# KiCad board rabbit_mask_video_edit.kicad_pcb (continued)
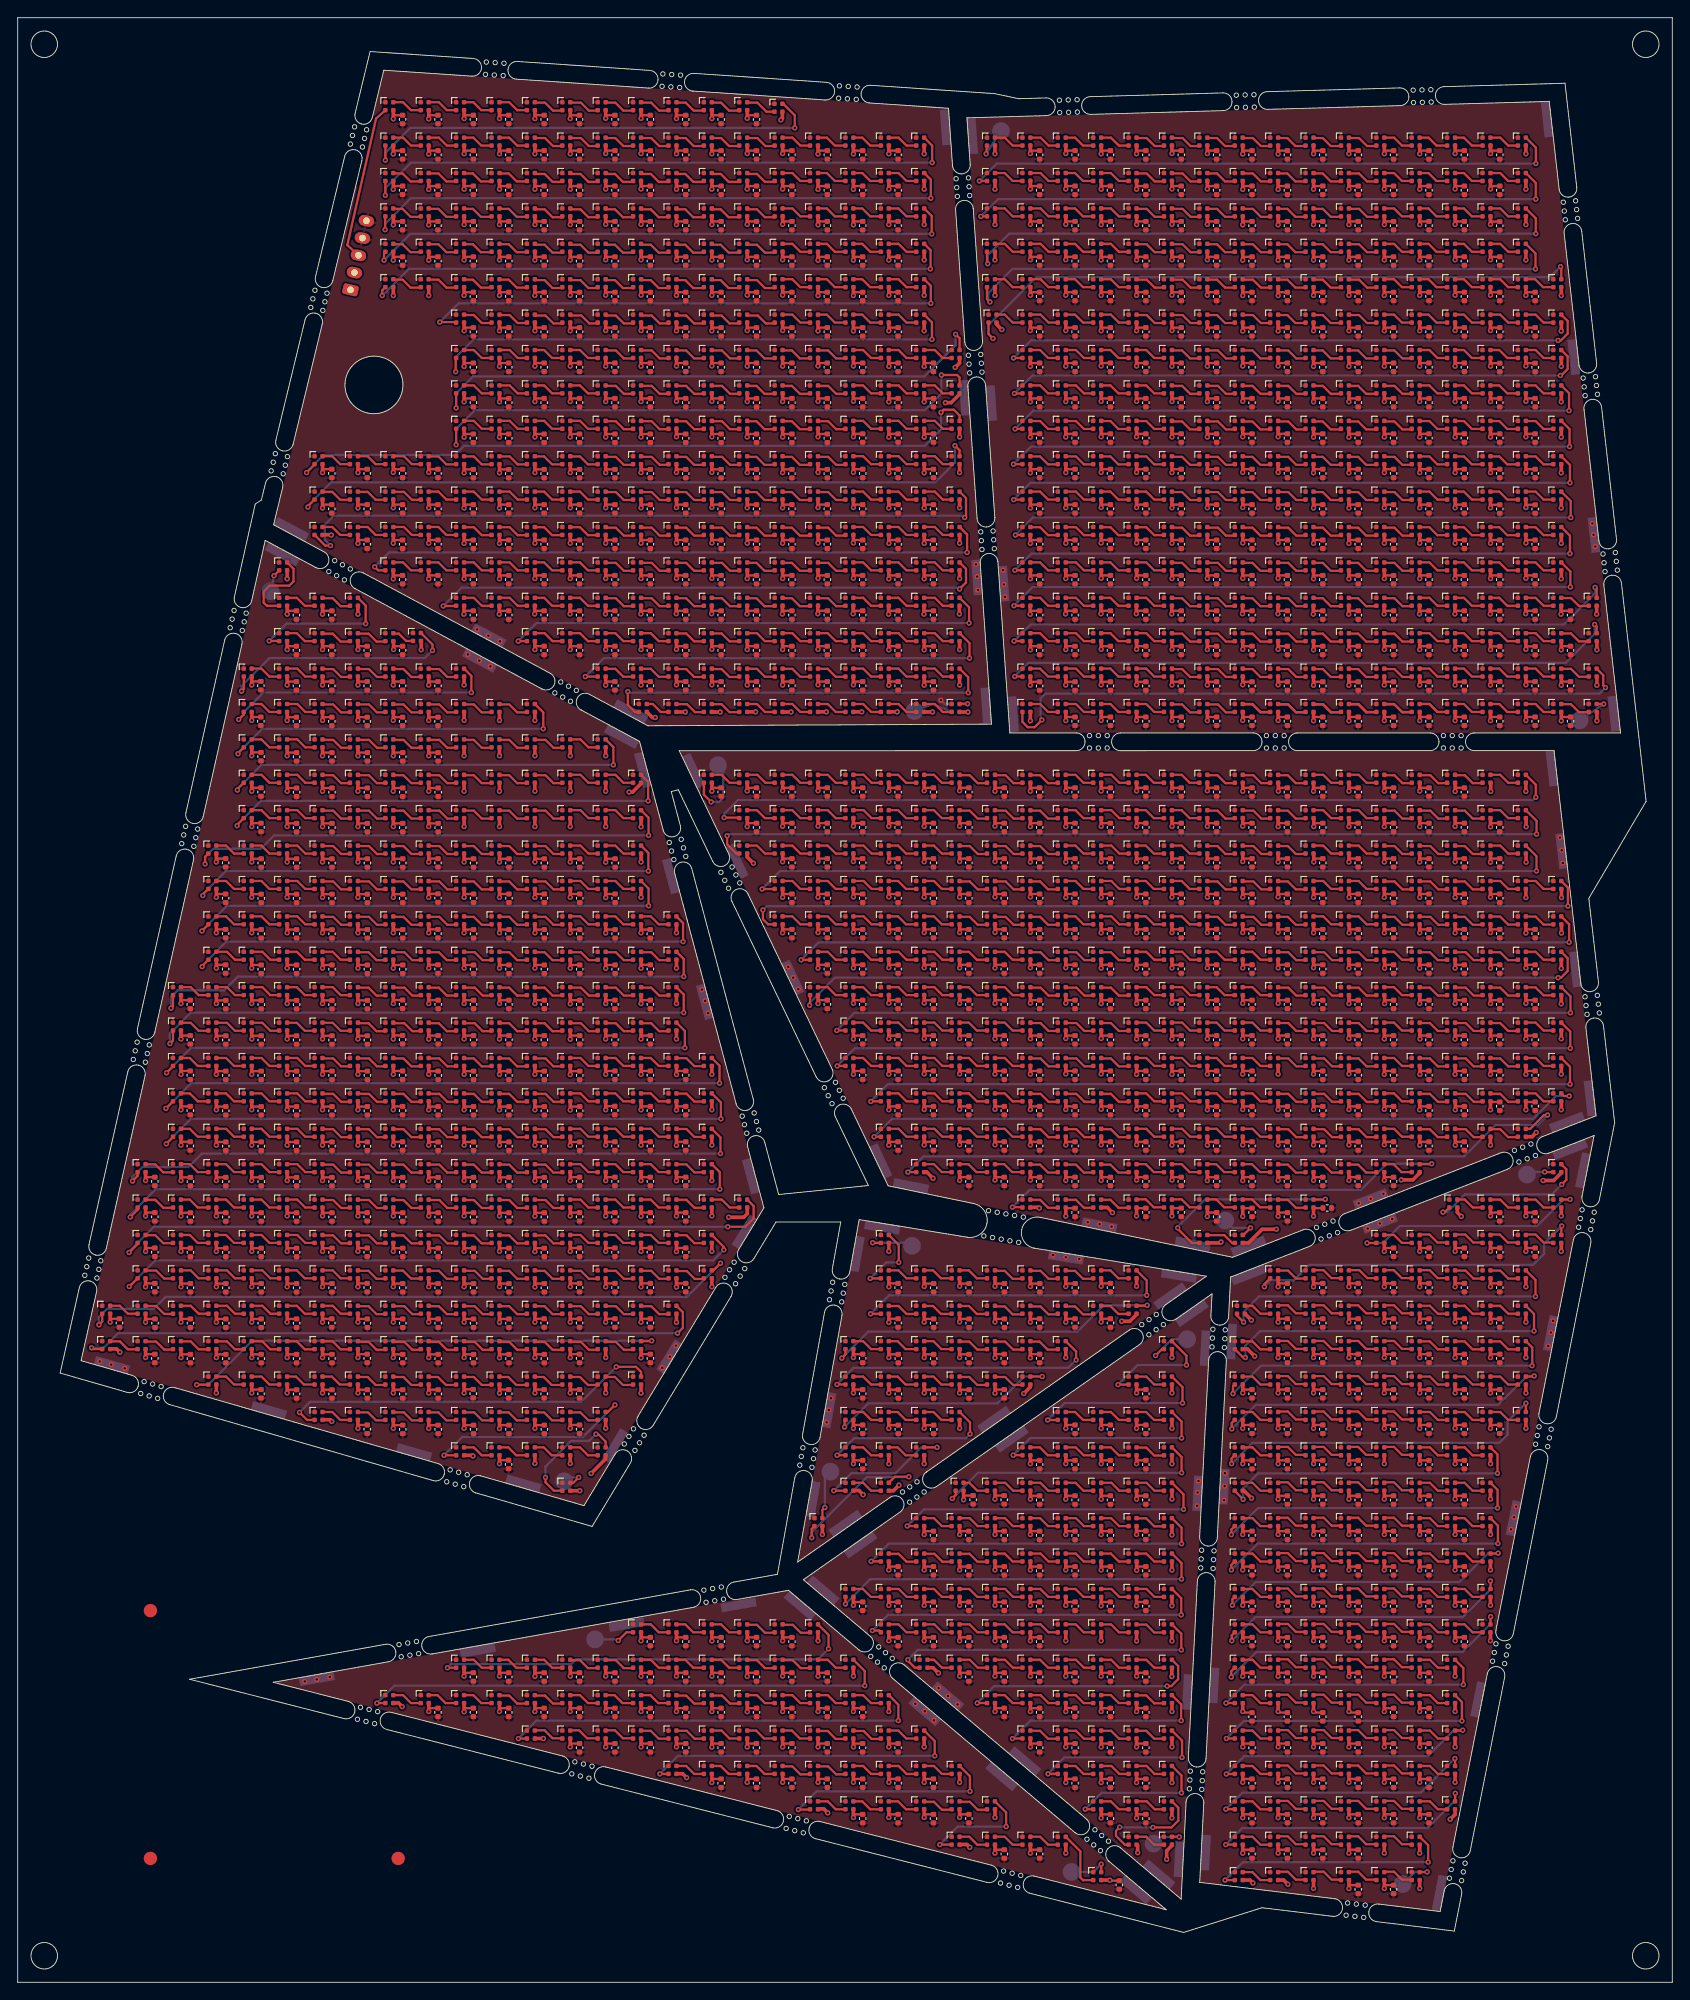
[diagram p0: board, top side]
## Routing (per net, layer and track width the routed paths; a pad name or vN(x,y) marks a point on that pad's centre or on a via; arc(x,y) is an arc through that point)
GND: length 1.4
  Bottom w0.25: v1(104.32,144.88) 104.75,144.45 D565.4
  vias: v1(9.27,70.15) v1(10.58,69.8) v1(12.1,69.38) v1(32.45,34) v1(33.8,34.22) v1(35.27,34.5) v1(50.88,150.05) v1(51.92,152.88) v1(52.17,149.35) v1(53.2,152.18) v1(53.42,148.7) v1(54.5,151.53) v1(72.85,69.45) v1(73.7,70.7) v1(74.4,71.95) v1(77.33,112.18) v1(77.7,110.9) v1(78.03,109.5) v1(87.1,114.75) v1(87.65,113.53) v1(88.22,112.22) v1(91.42,63.28) v1(91.67,64.68) v1(91.92,66) v1(101.45,31.47) v1(102.53,30.62) v1(103.55,29.6) v1(104.07,33.25) v1(105.15,32.35) v1(106.22,31.4) v1(108.3,160.22) v1(108.43,158.85) v1(108.53,157.32) v1(111.35,159.57) v1(111.45,157.95) v1(111.57,156.55) v1(117,82.18) v1(118.45,81.93) v1(119.97,81.72) v1(120.93,85.9) v1(122.28,85.68) v1(123.62,85.4) v1(133.35,55.35) v1(133.3,53.85) v1(133.45,56.65) v1(136.32,54.47) v1(136.43,57.53) v1(136.4,56.07) v1(151.55,88.03) v1(152.57,85.18) v1(152.9,88.55) v1(153.95,85.75) v1(154.35,89.1) v1(155.35,86.25) v1(168.78,51.18) v1(169.1,52.55) v1(169.35,53.75) v1(172.97,71.9) v1(173.28,73.43) v1(173.53,74.75) v1(174.3,129.35) v1(174.5,127.92) v1(174.62,126.47) v1(177.97,164.85) v1(178.1,163.57) v1(178.3,162.25)
VCC: length 2719.1
  Top w0.25: C1485#702.1 102.52,182.98 ; C1485#185.1 46.54,134.96 ; C1485#1170.1 126.52,198.98 ; C1485#924.1 114.52,182.98 ; C1485#1201.1 150.52,30.48 ; C1485#903.1 58.52,194.98 ; C1485#1178.1 114.52,26.98 ; C1485#494.1 58.52,170.96 ; C1485#613.1 146.52,14.98 ; C1485#512.1 146.52,38.98 ; C1485#605.1 134.52,106.98 ; C1485#1043.1 114.52,150.98 ; C1485#682.1 74.52,146.98 ; C1485#866.1 94.52,126.98 ; C1485#1270.1 78.52,210.98 ; C1485#933.1 86.52,126.98 ; C1485#863.1 134.52,174.98 ; C1485#1238.1 34.54,138.96 ; C1485#1025.1 82.52,166.98 ; C1485#190.1 98.52,118.98 ; C1485#1246.1 90.52,22.98 ; C1485#240.1 74.52,174.96 ; C1485#338.1 122.52,106.98 ; C1485#225.1 66.52,194.98 ; C1485#337.1 42.54,86.96 ; C1485#476.1 50.54,126.96 ; C1485#84.1 142.52,34.98 ; C1485#1275.1 18.54,90.96 ; C1485#1088.1 154.52,190.98 ; C1485#1174.1 114.52,70.98 ; C1485#299.1 90.52,174.96 ; C1485#1084.1 38.52,62.98 ; C1485#625.1 102.52,18.98 ; C1485#609.1 46.54,70.96 ; C1485#1023.1 98.52,74.98 ; C1485#383.1 54.52,166.98 ; C1485#830.1 142.52,14.98 ; C1485#444.1 98.52,102.98 ; C1485#1236.1 142.52,22.98 ; C1485#35.1 118.52,134.98 ; C1485#271.1 58.52,210.98 ; C1485#489.1 86.52,170.96 ; C1485#926.1 162.52,126.98 ; C1485#239.1 22.54,94.96 ; C1485#960.1 94.52,170.98 ; C1485#777.1 34.52,142.96 ; C1485#539.1 122.52,202.98 ; C1485#1048.1 102.52,94.98 ; C1485#677.1 38.54,98.96 ; C1485#757.1 170.52,166.96 ; C1485#166.1 126.52,190.98 ; C1485#1028.1 82.52,130.98 ; C1485#825.1 122.52,42.98 ; C1485#893.1 78.52,178.98 ; C1485#497.1 150.52,186.98 ; C1485#626.1 70.52,202.98 ; C1485#1194.1 102.52,42.98 ; C1485#93.1 146.52,178.98 ; C1485#121.1 118.5,31 ; C1485#1012.1 90.52,118.98 ; C1485#693.1 142.52,66.98 ; C1485#98.1 166.52,110.98 ; C1485#668.1 162.52,198.98 ; C1485#951.1 86.52,178.98 ; C1485#484.1 122.52,34.98 ; C1485#567.1 58.54,118.96 ; C1485#1207.1 90.52,166.98 ; C1485#207.1 98.54,70.96 ; C1485#117.1 138.52,22.98 ; C1485#201.1 154.52,134.98 ; C1485#556.1 110.52,110.98 ; C1485#1181.1 46.52,210.98 ; C1485#301.1 158.52,38.98 ; C1485#376.1 114.52,190.98 ; C1485#1109.1 98.52,126.98 ; C1485#287.1 74.52,198.98 ; C1485#882.1 62.52,70.98 ; C1485#688.1 46.52,158.98 ; C1485#76.1 78.52,202.98 ; C1485#230.1 54.54,98.96 ; C1485#1016.1 158.52,70.98 ; C1485#1206.1 22.54,98.96 ; C1485#249.1 38.54,118.96 ; C1485#188.1 154.52,198.98 ; C1485#791.1 154.52,30.98 ; C1485#27.1 66.52,154.98 ; C1485#968.1 166.52,170.98 ; C1485#843.1 66.52,174.96 ; C1485#769.1 118.52,154.98 ; C1485#715.1 154.52,90.98 ; C1485#123.1 70.52,146.98 ; C1485#965.1 114.52,50.98 ; C1485#238.1 98.52,146.98 ; C1485#499.1 54.52,34.98 ; C1485#142.1 154.52,178.98 ; C1485#1243.1 42.54,70.96 ; C1485#1237.1 126.52,114.98 ; C1485#972.1 122.52,182.98 ; C1485#599.1 50.52,194.98 ; C1485#1007.1 158.52,122.98 ; C1485#260.1 134.52,114.98 ; C1485#746.1 138.52,186.98 ; C1485#362.1 14.52,70.98 ; C1485#1032.1 34.54,110.96 ; C1485#1233.1 62.52,86.98 ; C1485#525.1 70.52,154.98 ; C1485#598.1 26.54,122.96 ; C1485#1126.1 38.54,106.96 ; C1485#776.1 158.52,30.98 ; C1485#270.1 122.52,118.98 ; C1485#1161.1 106.54,74.96 ; C1485#80.1 50.54,86.96 ; C1485#501.1 106.54,70.96 ; C1485#43.1 94.52,154.98 ; C1485#877.1 74.52,190.98 ; C1485#366.1 150.52,102.98 ; C1485#1241.1 126.52,158.98 ; C1485#44.1 174.52,142.98 ; C1485#867.1 114.52,166.98 ; C1485#29.1 130.52,166.98 ; C1485#146.1 94.52,186.98 ; C1485#799.1 134.52,90.98 ; C1485#574.1 102.52,22.98 ; C1485#96.1 150.52,194.98 ; C1485#1172.1 106.52,94.98 ; C1485#105.1 90.52,170.96 ; C1485#455.1 114.52,198.98 ; C1485#1020.1 114.52,102.98 ; C1485#370.1 86.52,146.98 ; C1485#164.1 158.52,114.98 ; C1485#1195.1 138.52,42.98 ; C1485#954.1 58.54,70.96 ; C1485#1114.1 54.52,202.98 ; C1485#771.1 90.52,158.98 ; C1485#477.1 58.54,62.96 ; C1485#1069.1 22.52,118.98 ; C1485#1050.1 166.52,78.98 ; C1485#950.1 102.52,122.98 ; C1485#13.1 82.52,22.98 ; C1485#402.1 46.54,106.98 ; C1485#835.1 142.52,78.98 ; C1485#526.1 126.52,142.98 ; C1485#279.1 170.52,178.98 ; C1485#519.1 82.52,194.98 ; C1485#568.1 98.52,26.98 ; C1485#641.1 42.52,146.98 ; C1485#377.1 126.52,26.98 ; C1485#840.1 70.52,106.98 ; C1485#131.1 142.52,30.48 ; C1485#593.1 70.52,150.98 ; C1485#516.1 158.52,206.98 ; C1485#429.1 118.52,174.98 ; C1485#1022.1 78.52,190.98 ; C1485#488.1 142.52,54.98 ; C1485#531.1 94.52,110.98 ; C1485#1067.1 138.52,154.98 ; C1485#432.1 162.52,58.98 ; C1485#749.1 42.52,202.98 ; C1485#1086.1 126.52,62.98 ; C1485#453.1 122.52,146.96 ; C1485#262.1 42.52,107 ; C1485#1057.1 50.52,170.96 ; C1485#356.1 138.52,122.98 ; C1485#934.1 42.54,66.96 ; C1485#824.1 62.52,30.98 ; C1485#874.1 126.52,102.98 ; C1485#665.1 138.52,150.98 ; C1485#853.1 166.52,99.48 ; C1485#607.1 50.54,94.96 ; C1485#691.1 114.52,154.98 ; C1485#745.1 126.52,58.98 ; C1485#929.1 66.52,158.98 ; C1485#927.1 30.54,122.96 ; C1485#1132.1 130.52,154.98 ; C1485#828.1 66.52,202.98 ; C1485#180.1 58.52,150.98 ; C1485#766.1 50.52,162.98 ; C1485#981.1 122.52,18.98 ; C1485#1015.1 130.52,98.98 ; C1485#797.1 82.52,158.98 ; C1485#1017.1 122.52,50.98 ; C1485#1145.1 122.52,122.98 ; C1485#728.1 62.54,94.96 ; C1485#852.1 142.52,50.98 ; C1485#32.1 70.52,206.98 ; C1485#928.1 158.52,78.98 ; C1485#910.1 170.52,110.98 ; C1485#521.1 118.52,130.98 ; C1485#314.1 18.52,94.98 ; C1485#770.1 130.52,194.98 ; C1485#353.1 130.52,90.98 ; C1485#145.1 158.52,146.96 ; C1485#86.1 134.52,150.98 ; C1485#1214.1 54.52,158.98 ; C1485#275.1 162.52,158.98 ; C1485#773.1 62.52,78.98 ; C1485#417.1 90.52,154.98 ; C1485#550.1 158.52,98.98 ; C1485#46.1 126.52,146.96 ; C1485#193.1 54.52,194.98 ; C1485#1064.1 66.52,94.98 ; C1485#925.1 130.52,202.98 ; C1485#486.1 94.52,66.98 ; C1485#1082.1 22.54,102.96 ; C1485#992.1 22.54,110.96 ; C1485#137.1 74.52,150.98 ; C1485#1101.1 142.52,114.98 ; C1485#410.1 162.52,42.98 ; C1485#955.1 110.52,126.98 ; C1485#886.1 170.52,154.98 ; C1485#231.1 106.52,102.98 ; C1485#624.1 118.52,87.48 ; C1485#18.1 166.52,130.98 ; C1485#347.1 50.54,82.96 ; C1485#781.1 58.52,158.98 ; C1485#367.1 162.52,170.98 ; C1485#449.1 70.52,82.98 ; C1485#586.1 82.52,198.98 ; C1485#381.1 78.52,146.98 ; C1485#277.1 150.52,26.98 ; C1485#1221.1 166.52,186.98 ; C1485#159.1 102.52,110.98 ; C1485#727.1 42.54,62.96 ; C1485#656.1 50.52,166.98 ; C1485#560.1 134.52,142.98 ; C1485#713.1 138.52,202.98 ; C1485#709.1 174.52,154.98 ; C1485#89.1 46.52,142.96 ; C1485#73.1 58.54,122.98 ; C1485#941.1 138.52,87.48 ; C1485#962.1 146.52,42.98 ; C1485#437.1 138.52,106.98 ; C1485#127.1 30.54,134.96 ; C1485#627.1 62.54,118.96 ; C1485#616.1 58.52,198.98 ; C1485#1053.1 142.52,162.98 ; C1485#554.1 98.54,62.96 ; C1485#775.1 138.52,206.98 ; C1485#1127.1 74.52,86.98 ; C1485#220.1 134.52,182.98 ; C1485#976.1 118.52,118.98 ; C1485#1169.1 46.52,118.98 ; C1485#612.1 118.52,142.98 ; C1485#685.1 42.52,166.98 ; C1485#165.1 170.52,114.98 ; C1485#242.1 142.52,110.98 ; C1485#247.1 66.52,166.98 ; C1485#869.1 38.52,150.98 ; C1485#712.1 146.52,186.98 ; C1485#755.1 94.52,150.98 ; C1485#365.1 62.52,158.98 ; C1485#661.1 158.52,66.98 ; C1485#1244.1 158.52,182.98 ; C1485#291.1 118.52,122.98 ; C1485#244.1 66.52,82.98 ; C1485#1130.1 150.52,202.98 ; C1485#112.1 46.54,138.96 ; C1485#438.1 158.52,26.98 ; C1485#902.1 106.52,38.98 ; C1485#125.1 134.52,154.98 ; C1485#139.1 126.52,162.98 ; C1485#1269.1 102.52,178.98 ; C1485#943.1 158.52,94.98 ; C1485#1257.1 62.52,150.98 ; C1485#95.1 130.52,142.98 ; C1485#537.1 138.52,114.98 ; C1485#245.1 142.52,70.98 ; C1485#529.1 118.52,146.96 ; C1485#513.1 22.54,86.96 ; C1485#199.1 74.52,170.96 ; C1485#419.1 98.52,194.98 ; C1485#782.1 142.52,86.98 ; C1485#69.1 78.52,30.98 ; C1485#1062.1 110.52,130.98 ; C1485#553.1 130.52,190.98 ; C1485#1005.1 34.54,94.96 ; C1485#868.1 42.54,78.96 ; C1485#703.1 150.52,134.98 ; C1485#536.1 118.52,194.98 ; C1485#308.1 110.54,78.96 ; C1485#152.1 26.52,130.98 ; C1485#614.1 66.52,198.98 ; C1485#1099.1 114.52,34.98 ; C1485#666.1 14.52,82.98 ; C1485#248.1 70.52,174.96 ; C1485#918.1 82.52,182.98 ; C1485#47.1 154.52,66.98 ; C1485#79.1 158.52,42.98 ; C1485#545.1 70.52,30.98 ; C1485#1240.1 38.52,86.98 ; C1485#592.1 50.52,182.98 ; C1485#364.1 142.52,178.98 ; C1485#652.1 134.52,186.98 ; C1485#1210.1 114.52,54.98 ; C1485#1273.1 130.52,174.98 ; C1485#407.1 118.52,166.98 ; C1485#389.1 90.52,126.98 ; C1485#847.1 58.54,82.96 ; C1485#518.1 50.54,90.96 ; C1485#759.1 86.52,30.98 ; C1485#1030.1 154.52,42.98 ; C1485#276.1 134.52,86.98 ; C1485#690.1 74.52,158.98 ; C1485#1177.1 138.52,46.98 ; C1485#876.1 170.52,82.98 ; C1485#788.1 150.52,78.98 ; C1485#154.1 70.51,118.96 ; C1485#409.1 114.52,158.98 ; C1485#585.1 162.52,162.98 ; C1485#266.1 154.52,194.98 ; C1485#1041.1 94.52,158.98 ; C1485#730.1 134.52,94.98 ; C1485#280.1 146.52,102.98 ; C1485#872.1 146.52,18.98 ; C1485#584.1 78.52,194.98 ; C1485#1262.1 154.52,18.98 ; C1485#394.1 126.52,42.98 ; C1485#823.1 166.52,174.98 ; C1485#387.1 130.52,130.98 ; C1485#241.1 146.52,50.98 ; C1485#967.1 114.52,74.98 ; C1485#175.1 42.52,142.96 ; C1485#288.1 66.54,122.98 ; C1485#1090.1 74.52,30.98 ; C1485#11.1 142.52,206.98 ; C1485#70.1 166.52,66.98 ; C1485#1033.1 114.52,30.98 ; C1485#451.1 78.52,34.98 ; C1485#1220.1 134.52,134.98 ; C1485#1117.1 94.52,166.98 ; C1485#669.1 158.52,50.98 ; C1485#961.1 146.52,30.48 ; C1485#1058.1 18.54,70.96 ; C1485#686.1 114.52,58.98 ; C1485#415.1 150.52,54.98 ; C1485#1104.1 106.52,130.98 ; C1485#115.1 174.52,150.98 ; C1485#155.1 118.52,186.98 ; C1485#413.1 106.52,110.98 ; C1485#404.1 62.52,186.98 ; C1485#61.1 126.52,166.98 ; C1485#1261.1 50.52,206.98 ; C1485#60.1 34.54,106.96 ; C1485#500.1 50.52,178.98 ; C1485#30.1 22.54,74.96 ; C1485#940.1 98.52,114.98 ; C1485#957.1 50.52,198.98 ; C1485#246.1 30.54,98.96 ; C1485#884.1 170.52,106.98 ; C1485#774.1 90.52,122.98 ; C1485#480.1 130.52,87.48 ; C1485#236.1 118.52,74.98 ; C1485#805.1 154.52,206.98 ; C1485#1142.1 94.52,18.98 ; C1485#124.1 30.54,82.96 ; C1485#1031.1 102.52,134.98 ; C1485#760.1 126.52,134.98 ; C1485#667.1 78.52,206.98 ; C1485#1040.1 66.54,126.96 ; C1485#234.1 62.52,74.98 ; C1485#1166.1 58.52,178.98 ; C1485#1190.1 146.52,22.98 ; C1485#1150.1 146.52,162.98 ; C1485#700.1 118.52,202.98 ; C1485#1074.1 114.52,110.98 ; C1485#705.1 138.52,90.98 ; C1485#694.1 166.52,106.98 ; C1485#1193.1 98.52,202.98 ; C1485#1124.1 58.54,98.96 ; C1485#947.1 58.52,154.98 ; C1485#837.1 86.52,122.98 ; C1485#949.1 138.52,38.98 ; C1485#1184.1 50.54,114.96 ; C1485#268.1 138.52,62.98 ; C1485#285.1 82.52,38.98 ; C1485#1279.1 138.52,174.98 ; C1485#217.1 66.52,170.96 ; C1485#707.1 78.52,182.98 ; C1485#832.1 150.52,118.98 ; C1485#81.1 142.52,62.98 ; C1485#912.1 166.52,154.98 ; C1485#282.1 34.54,102.96 ; C1485#904.1 18.54,82.96 ; C1485#53.1 134.52,146.96 ; C1485#1083.1 26.54,70.96 ; 147.5,87.48 146.52,87.48 ; C1485#570.1 26.52,138.98 ; C1485#1042.1 30.54,126.96 ; C1485#203.1 126.52,18.98 ; C1485#1242.1 42.54,74.96 ; C1485#959.1 166.52,198.96 ; C1485#1254.1 34.54,118.96 ; C1485#255.1 58.52,186.98 ; C1485#49.1 30.54,110.96 ; C1485#339.1 134.52,119 ; C1485#810.1 26.54,110.96 ; C1485#822.1 154.52,94.98 ; C1485#1230.1 162.52,146.96 ; C1485#504.1 54.54,94.96 ; C1485#1122.1 78.52,162.98 ; C1485#187.1 138.52,170.98 ; C1485#104.1 90.52,194.98 ; C1485#272.1 166.52,194.98 ; C1485#58.1 122.52,90.98 ; C1485#571.1 58.52,174.96 ; C1485#754.1 138.52,190.98 ; C1485#210.1 90.52,150.98 ; C1485#26.1 158.52,178.98 ; C1485#606.1 170.52,186.98 ; C1485#860.1 138.52,142.98 ; C1485#520.1 162.52,110.98 ; C1485#731.1 102.52,38.98 ; C1485#623.1 146.52,130.98 ; C1485#827.1 154.52,54.98 ; C1485#680.1 50.54,118.96 ; C1485#305.1 122.52,130.98 ; C1485#1232.1 90.52,130.98 ; C1485#674.1 162.52,82.98 ; C1485#420.1 54.54,78.96 ; C1485#1256.1 86.52,194.98 ; C1485#334.1 78.52,186.98 ; C1485#1212.1 82.52,170.96 ; C1485#920.1 42.52,210.98 ; C1485#443.1 106.52,122.98 ; C1485#492.1 54.52,186.98 ; C1485#1228.1 58.52,34.98 ; C1485#502.1 146.52,134.98 ; C1485#1128.1 150.52,166.98 ; C1485#418.1 26.54,102.96 ; C1485#729.1 38.52,162.98 ; C1485#296.1 114.52,130.98 ; C1485#2.1 102.52,158.98 ; C1485#1140.1 118.52,22.98 ; C1485#817.1 122.52,166.98 ; C1485#923.1 38.54,122.96 ; C1485#724.1 134.52,206.98 ; C1485#1035.1 118.52,98.98 ; C1485#737.1 90.52,26.98 ; C1485#527.1 54.52,30.98 ; C1485#883.1 42.52,158.98 ; C1485#78.1 50.52,34.98 ; C1485#814.1 90.52,178.98 ; C1485#462.1 158.52,126.98 ; C1485#643.1 38.54,130.96 ; C1485#430.1 162.52,46.98 ; C1485#748.1 114.52,162.98 ; C1485#818.1 30.54,90.96 ; C1485#461.1 58.54,126.96 ; C1485#405.1 46.54,78.96 ; C1485#900.1 54.52,66.98 ; C1485#1136.1 86.52,198.98 ; C1485#150.1 50.54,70.96 ; C1485#64.1 154.52,46.98 ; C1485#600.1 78.52,158.98 ; C1485#1027.1 50.54,62.96 ; C1485#307.1 82.52,30.98 ; C1485#102.1 154.52,150.98 ; C1485#899.1 54.54,102.96 ; C1485#597.1 114.52,170.98 ; C1485#148.1 34.54,98.96 ; C1485#635.1 58.54,110.98 ; C1485#596.1 162.52,74.98 ; C1485#23.1 142.52,130.98 ; C1485#211.1 18.54,78.96 ; C1485#533.1 74.52,102.98 ; C1485#297.1 142.52,154.98 ; C1485#283.1 166.52,206.98 ; C1485#401.1 34.54,130.96 ; C1485#360.1 146.52,98.98 ; C1485#559.1 158.52,22.98 ; C1485#143.1 150.52,94.98 ; C1485#450.1 126.52,90.98 ; C1485#302.1 54.54,62.96 ; C1485#1103.1 94.52,134.98 ; C1485#345.1 134.52,130.98 ; C1485#543.1 150.52,154.98 ; C1485#802.1 138.52,50.98 ; C1485#473.1 122.52,62.98 ; C1485#227.1 146.52,78.98 ; C1485#1175.1 98.52,94.98 ; C1485#922.1 138.52,30.48 ; C1485#440.1 122.52,98.98 ; C1485#9.1 162.52,70.98 ; C1485#1185.1 82.52,210.98 ; C1485#1229.1 134.52,162.98 ; C1485#75.1 94.52,58.98 ; C1485#785.1 106.52,90.98 ; C1485#1274.1 74.52,210.98 ; C1485#224.1 126.52,46.98 ; C1485#1052.1 82.52,202.98 ; C1485#996.1 162.52,142.98 ; C1485#1080.1 146.52,110.98 ; C1485#758.1 118.52,182.98 ; C1485#56.1 166.52,62.98 ; C1485#1093.1 62.52,90.98 ; C1485#849.1 102.54,62.96 ; C1485#763.1 154.52,126.98 ; C1485#433.1 138.52,58.98 ; C1485#751.1 58.54,94.96 ; C1485#890.1 38.54,114.96 ; C1485#1091.1 62.54,106.98 ; C1485#184.1 54.54,122.98 ; C1485#939.1 122.52,158.98 ; C1485#19.1 62.52,162.98 ; C1485#864.1 154.52,186.98 ; C1485#881.1 86.52,186.98 ; C1485#676.1 46.52,166.98 ; C1485#324.1 46.52,202.98 ; C1485#865.1 150.52,10.98 ; C1485#498.1 50.5,67 ; C1485#569.1 38.54,66.96 ; C1485#39.1 34.54,134.96 ; C1485#999.1 58.52,202.98 ; C1485#979.1 158.52,58.98 ; C1485#218.1 54.52,190.98 ; C1485#332.1 154.52,26.98 ; C1485#436.1 98.52,170.98 ; C1485#1087.1 150.52,198.98 ; C1485#1156.1 142.52,134.98 ; C1485#320.1 74.52,166.98 ; C1485#45.1 94.52,206.98 ; C1485#582.1 54.54,90.96 ; C1485#787.1 26.54,74.96 ; C1485#15.1 174.52,146.98 ; C1485#562.1 42.54,114.96 ; C1485#1059.1 38.54,110.96 ; C1485#1004.1 154.52,182.98 ; C1485#192.1 42.54,138.96 ; C1485#1205.1 74.52,90.98 ; C1485#412.1 114.52,118.98 ; C1485#119.1 46.54,110.98 ; C1485#163.1 70.52,90.98 ; C1485#1187.1 62.52,210.98 ; C1485#879.1 86.52,174.96 ; C1485#1131.1 134.52,198.98 ; C1485#716.1 50.52,186.98 ; C1485#33.1 154.52,106.98 ; C1485#1107.1 158.52,186.98 ; C1485#1143.1 122.52,178.98 ; C1485#792.1 58.52,166.98 ; C1485#97.1 162.52,54.98 ; C1485#490.1 110.52,14.98 ; C1485#228.1 22.54,70.96 ; C1485#761.1 50.54,98.96 ; C1485#382.1 30.52,146.98 ; C1485#692.1 90.52,206.98 ; C1485#970.1 122.52,142.98 ; C1485#1154.1 58.54,78.96 ; C1485#558.1 150.52,58.98 ; C1485#1149.1 26.54,106.96 ; C1485#1097.1 166.52,122.98 ; C1485#870.1 134.52,202.98 ; C1485#191.1 62.54,126.96 ; C1485#1268.1 70.52,198.98 ; C1485#538.1 50.54,74.96 ; C1485#732.1 154.52,10.98 ; C1485#952.1 166.52,190.98 ; C1485#396.1 90.52,190.98 ; C1485#1038.1 110.52,34.98 ; C1485#342.1 166.52,74.98 ; C1485#1245.1 98.52,106.98 ; C1485#1098.1 34.54,90.96 ; C1485#303.1 106.54,66.96 ; C1485#24.1 46.54,66.96 ; C1485#128.1 62.52,202.98 ; C1485#17.1 166.52,114.98 ; C1485#208.1 150.52,106.98 ; C1485#1100.1 30.52,150.98 ; C1485#319.1 146.52,194.98 ; C1485#632.1 158.52,190.98 ; C1485#214.1 162.52,150.98 ; C1485#639.1 62.52,182.98 ; C1485#111.1 22.54,82.96 ; C1485#85.1 122.52,30.98 ; C1485#472.1 82.52,162.98 ; C1485#1002.1 154.52,130.98 ; C1485#173.1 142.52,158.98 ; C1485#590.1 46.52,170.98 ; C1485#673.1 138.52,198.98 ; C1485#274.1 158.52,54.98 ; C1485#780.1 74.52,82.98 ; C1485#1108.1 90.52,34.98 ; C1485#779.1 22.54,78.96 ; C1485#701.1 118.52,90.98 ; C1485#720.1 102.52,46.98 ; C1485#994.1 26.54,126.96 ; C1485#891.1 26.54,82.96 ; C1485#1118.1 146.52,174.98 ; C1485#355.1 130.52,126.98 ; C1485#1014.1 86.52,150.98 ; C1485#931.1 158.52,46.98 ; C1485#615.1 46.52,206.98 ; C1485#1159.1 26.54,86.96 ; C1485#40.1 26.54,90.96 ; C1485#99.1 98.52,22.98 ; C1485#980.1 66.52,210.98 ; C1485#620.1 54.54,86.96 ; C1485#1276.1 90.52,146.98 ; C1485#917.1 54.54,114.96 ; C1485#1204.1 54.54,106.98 ; C1485#993.1 126.52,34.98 ; C1485#908.1 62.52,34.98 ; C1485#495.1 62.52,178.98 ; C1485#813.1 66.52,178.98 ; C1485#1072.1 138.52,94.98 ; C1485#750.1 134.52,126.98 ; C1485#479.1 74.52,34.98 ; C1485#888.1 42.54,82.96 ; C1485#113.1 150.52,22.98 ; C1485#826.1 158.52,174.98 ; C1485#621.1 130.52,94.98 ; C1485#411.1 118.52,50.98 ; C1485#1133.1 154.52,122.98 ; C1485#226.1 58.52,30.98 ; C1485#54.1 166.52,118.98 ; C1485#318.1 102.52,166.98 ; C1485#522.1 106.52,134.98 ; C1485#232.1 98.52,206.98 ; C1485#1234.1 146.52,26.98 ; C1485#987.1 138.52,102.98 ; C1485#580.1 94.51,26.98 ; C1485#576.1 50.52,154.98 ; C1485#984.1 38.52,70.98 ; C1485#1157.1 142.52,18.98 ; C1485#1075.1 130.52,178.98 ; C1485#446.1 74.52,194.98 ; C1485#1116.1 162.52,130.98 ; C1485#541.1 146.52,62.98 ; C1485#67.1 130.52,146.96 ; C1485#807.1 50.52,30.98 ; C1485#986.1 162.52,190.98 ; C1485#1078.1 86.52,118.98 ; C1485#834.1 98.52,154.98 ; C1485#1215.1 150.52,74.98 ; C1485#1105.1 62.52,66.98 ; C1485#552.1 54.52,178.98 ; C1485#654.1 142.52,142.98 ; C1485#806.1 126.52,122.98 ; C1485#1188.1 138.52,130.98 ; C1485#1071.1 98.52,134.98 ; C1485#294.1 66.52,74.98 ; C1485#1141.1 154.52,22.98 ; C1485#1006.1 30.54,78.96 ; C1485#447.1 142.52,202.98 ; C1485#506.1 34.54,126.96 ; C1485#1211.1 150.52,142.98 ; C1485#428.1 123.52,11.48 ; C1485#1009.1 154.52,154.98 ; C1485#286.1 118.52,42.98 ; C1485#315.1 138.52,178.98 ; C1485#1247.1 158.52,198.98 ; C1485#1121.1 142.52,150.98 ; C1485#618.1 162.52,66.98 ; C1485#168.1 130.52,150.98 ; C1485#149.1 114.52,14.98 ; C1485#126.1 162.52,134.98 ; C1485#678.1 30.54,106.96 ; C1485#481.1 154.52,78.98 ; C1485#762.1 10.52,74.98 ; C1485#711.1 50.52,210.98 ; C1485#304.1 94.52,62.98 ; C1485#966.1 142.52,146.96 ; C1485#471.1 46.54,90.96 ; C1485#335.1 146.52,202.98 ; C1485#608.1 154.52,118.98 ; C1485#1192.1 70.52,26.98 ; C1485#256.1 14.52,90.98 ; C1485#1011.1 162.52,122.98 ; C1485#369.1 110.52,122.98 ; C1485#963.1 106.52,106.98 ; C1485#425.1 74.52,98.98 ; C1485#441.1 126.52,154.98 ; C1485#638.1 106.52,46.98 ; C1485#454.1 130.52,170.98 ; C1485#94.1 54.52,154.98 ; C1485#671.1 94.52,174.98 ; C1485#938.1 146.52,122.98 ; C1485#1137.1 102.52,162.98 ; C1485#261.1 62.52,174.96 ; C1485#463.1 158.52,34.98 ; C1485#845.1 146.52,170.98 ; C1485#508.1 150.52,110.98 ; C1485#5.1 122.52,150.98 ; C1485#663.1 74.52,26.98 ; C1485#662.1 106.52,98.98 ; C1485#215.1 70.52,70.98 ; C1485#753.1 134.52,178.98 ; C1485#909.1 142.52,170.98 ; C1485#833.1 66.52,86.98 ; C1485#801.1 162.52,102.98 ; C1485#65.1 146.52,94.98 ; C1485#77.1 58.52,66.98 ; C1485#3.1 110.52,118.98 ; C1485#1013.1 74.52,206.98 ; C1485#1160.1 102.52,154.98 ; C1485#564.1 74.52,186.98 ; C1485#804.1 30.54,70.96 ; C1485#587.1 74.52,182.98 ; C1485#795.1 42.54,134.96 ; C1485#1089.1 118.52,170.98 ; C1485#197.1 94.52,194.98 ; C1485#34.1 162.52,154.98 ; C1485#578.1 98.52,162.98 ; C1485#648.1 166.52,182.96 ; C1485#1024.1 98.52,182.98 ; C1485#1113.1 118.52,190.98 ; C1485#1252.1 154.52,110.98 ; C1485#219.1 54.52,198.98 ; C1485#204.1 126.52,174.98 ; C1485#83.1 98.52,42.98 ; C1485#36.1 66.52,34.98 ; C1485#995.1 118.52,106.98 ; C1485#983.1 166.52,178.98 ; C1485#395.1 82.52,146.98 ; C1485#1039.1 154.52,70.98 ; C1485#311.1 118.52,158.98 ; C1485#1213.1 86.52,190.98 ; C1485#896.1 22.52,114.98 ; C1485#978.1 122.52,194.98 ; C1485#1208.1 42.52,170.98 ; C1485#6.1 114.52,46.98 ; C1485#510.1 62.54,122.98 ; C1485#563.1 94.52,22.98 ; C1485#317.1 102.52,174.98 ; C1485#1167.1 146.52,118.98 ; C1485#52.1 74.52,178.98 ; C1485#267.1 150.52,14.98 ; C1485#985.1 150.52,206.98 ; C1485#660.1 110.51,55 ; C1485#424.1 94.52,42.98 ; C1485#1076.1 38.54,138.96 ; C1485#708.1 142.52,190.98 ; C1485#1046.1 146.52,154.98 ; C1485#542.1 